# Altium PCB PCB2.PcbDoc (part 2 of 3)
Units mil, origin at the board's own origin, x right, y up, seen from the top; angles counter-clockwise.
Board outline 8413.39 x 5625.98 mil, 6 copper layers (Top Layer, GND1, Misc, Power, GND2, Bottom Layer), stack 58.89 mil thick; 205 components, 372 nets, 1456 pads, 1132 vias.
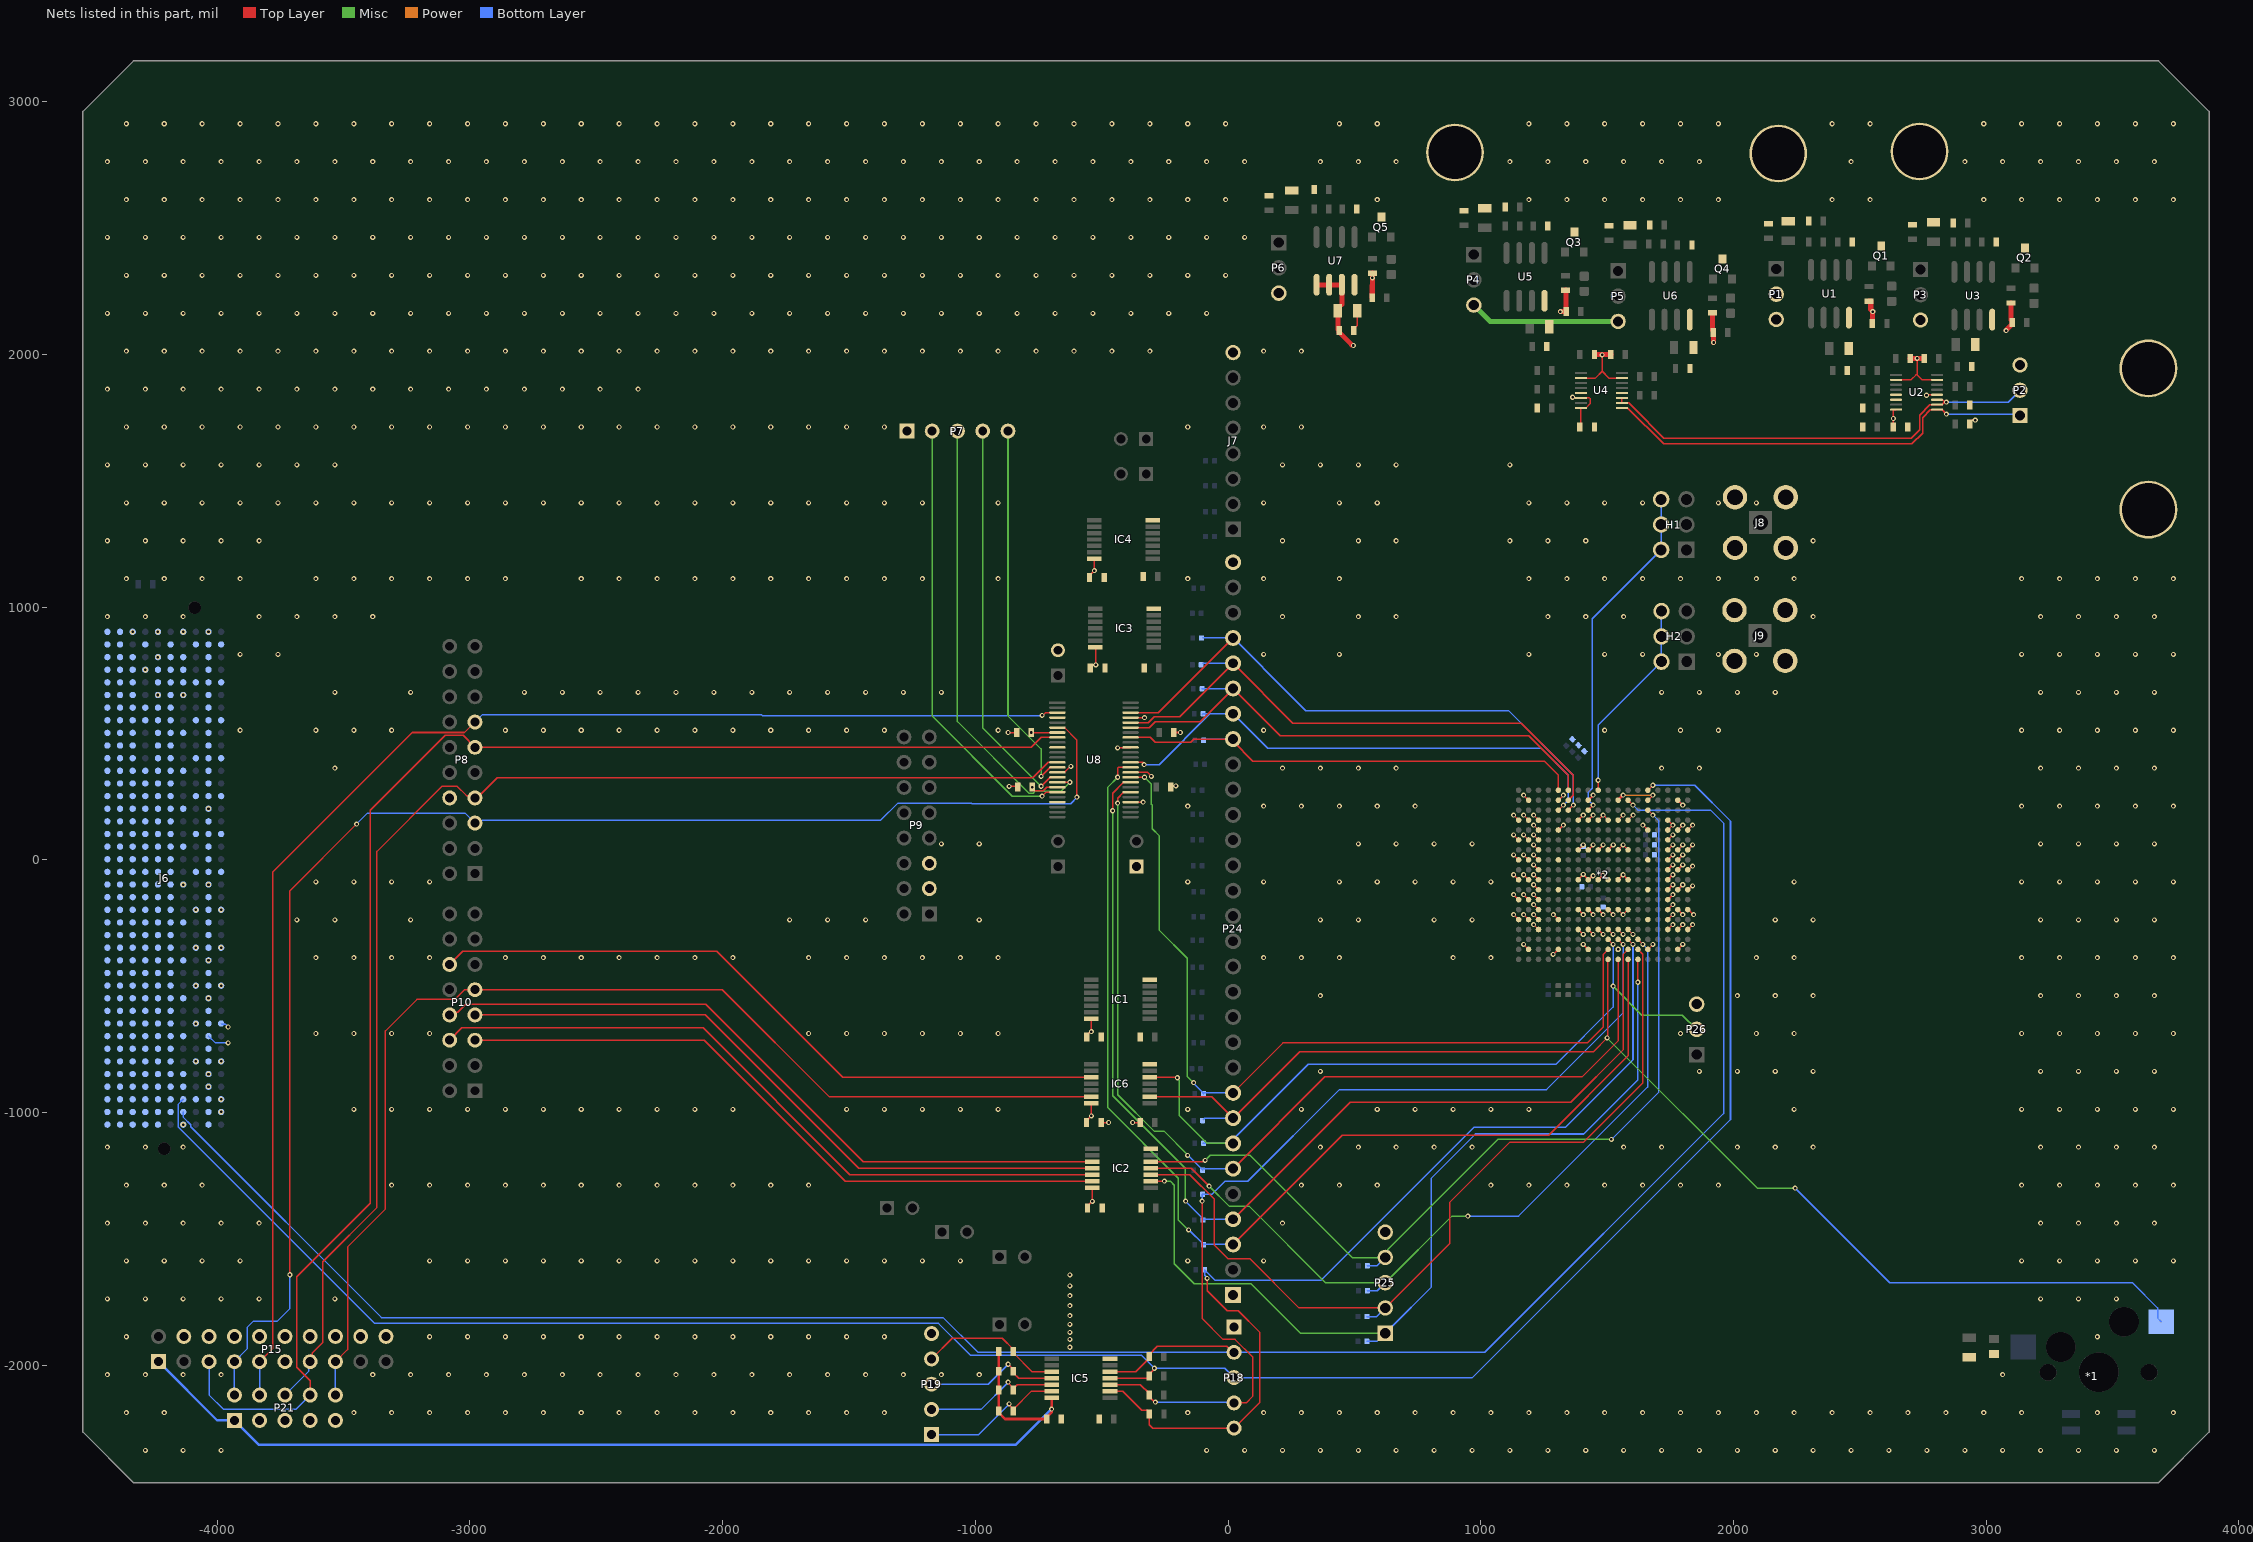
[diagram p6: the nets of this part, all layers, seen from the top]

## Via types
v1: diameter 20, hole 10, Top Layer to Bottom Layer, 828 vias
v2: diameter 20, hole 10, Top Layer to Bottom Layer, tented both sides, 304 vias

## Nets (pads, with @x,y where several pads share a name; then routed paths per layer and width w, separated by ;. In a path a pad name is that pad's centre, name@x,y a point inside that pad or via, vN(x,y) a via of type N, cw(c..) or ccw(c..) an arc to the next point about the centre after c; other vN are vias at no path point) (continued)
3V3: C2.2 C9.2 C41.2 C42.1 C43.2 C45.2 C47.2 C49.2 C52.2 C54.2 IC1.14 IC2.14 IC3.14 IC4.14 IC5.14 IC6.14 P1.2 P15.1 P21.1 R4.1 R8.1 R12.1 R19.1 R22.1 R24.1 R26.1 R28.1 R30.1 R32.1 R34.1 R39.2 R40.2 R41.2 R42.2 U2.8 U4.6 U4.8 U8.7 U8.18 | length 5789.9
  Top Layer w5: v2(-778.35,503.94) U8.7@-675.23,503.94 ; v2(-774.41,287.4) -774.41,281.17 -766.08,272.84 -731.61,272.84 -717.05,287.4 U8.18@-675.23,287.4 ; C54.2@-560.24,-1039.37 -560.24,-1032.48 v2(-540.87,-1013.11) IC6.14@-540.87,-962.6 ; C43.2@-559.06,-700.79 -559.06,-693.9 v2@-542.97,-677.81 ; C45.2@-556.3,-1377.95 -556.3,-1371.06 v2(-536.93,-1351.69) IC2.14@-536.93,-1297.24 ; C49.2@-548.43,1118.11 -548.43,1125 v2(-529.06,1144.37) IC4.14@-529.06,1190.94 ; C47.2@-544.49,759.84 -544.49,763.33 -536.16,771.65 v2(-523.62,771.65) -523.62,839.06 IC3.14@-525.12,840.55 ; v2(-540.87,-679.92) v2@-542.97,-677.81 ; IC1.14@-540.87,-627.95 -540.87,-675.71 v2@-542.97,-677.81
  Top Layer w6: R34.1@569.68,2224.41 R34.1@570.87,2225.59 ; v2(1363.58,1830.71) 1365.97,1828.33 1395.97,1828.33 U4.6@1396.42,1827.87 1430.05,1827.87 1433.56,1824.36 1433.56,1805.41 1416.66,1788.5 U4.8@1396.42,1788.5 1396.42,1716.5 C9.2@1392.52,1712.6 ; C2.2@2632.68,1712.6 v2(2632.68,1746.5) 2632.68,1780.4 2633.77,1781.5 U2.8@2643.31,1781.5 ; R4.1@2934.25,1724.41 2934.25,1731.3 2942.08,1739.13 2955.66,1739.13 v2(2956.69,1740.16)
  Top Layer w10: R42.2@-906.69,-1944.88 R41.2@-906.69,-2023.62 R40.2@-906.69,-2098.43 R39.2@-906.69,-2181.1 -906.69,-2187.99 -882.09,-2212.6 C52.2@-717.72,-2212.6 -717.72,-2205.71 -698.35,-2186.34 v2(-698.35,-2173.23) IC5.14@-698.35,-2127.95
  Top Layer w20: R34.1@570.51,2225.59 570.51,2272.13 570.87,2272.48 R32.1@570.87,2321.65 ; v2(1314.96,2169.29) R26.1@1337.4,2169.29 1337.4,2253.9 1336.57,2254.72 R24.1@1334.65,2254.72 ; R28.1@1917.32,2164.17 1917.32,2096.26 1920.08,2093.5 R30.1@1920.08,2086.61 1920.08,2048.43 v2(1921.26,2047.24) ; R8.1@2535.43,2211.42 2542.32,2211.42 2543.15,2210.59 2543.15,2177.32 v2(2551.18,2169.29) 2550,2168.11 R12.1@2550,2122.05 ; v2(3078.74,2094.49) 3078.74,2095.47 3102.36,2119.09 R22.1@3102.36,2125.98 3102.36,2132.87 3098.43,2136.81 R19.1@3098.43,2203.54
  Bottom Layer w10: P15.1@-4232.28,-1985.83 -4000,-2218.11 P21.1@-3932.28,-2218.11 -3835.06,-2315.33 -840.45,-2315.33 v2(-698.35,-2173.23)
  other v2: -625.98,-1928.82 -625.98,-1897.64 -625.98,-1870.08 -625.98,-1838.58 -625.98,-1803.15 -625.98,-1763.78 -625.98,-1724.41 -625.98,-1685.61 -625.98,-1642.42 570.87,2303.15
a2: J6.A2
a3: J6.A3
a6: J6.A6
a7: J6.A7
a10: J6.A10
a11: J6.A11
a14: J6.A14
a15: J6.A15
a18: J6.A18
a19: J6.A19
a22: J6.A22
a23: J6.A23
a26: J6.A26
a27: J6.A27
a30: J6.A30
a31: J6.A31
a34: J6.A34
a35: J6.A35
a38: J6.A38
a39: J6.A39
b1: J6.B1
b4: J6.B4
b5: J6.B5
b8: J6.B8
b9: J6.B9
b12: J6.B12
b13: J6.B13
b16: J6.B16
b17: J6.B17
b20: J6.B20
b21: J6.B21
b24: J6.B24
b25: J6.B25
b28: J6.B28
b29: J6.B29
b32: J6.B32
b33: J6.B33
b36: J6.B36
b37: J6.B37
b40: J6.B40
BOOT_SEL: *2.280 IC6.5 P24.7 P26.2 R52.1 | length 3054.7
  Top Layer w6: IC6.5@-309.53,-860.24 -308.54,-861.22 -201.77,-861.22 v2(-200.79,-862.2) ; *2.280@1503.94,-314.96 v2(1523.62,-334.65)
  Misc w5: v2(1523.62,-500) 1637.8,-614.17 1797.64,-614.17 P26.2@1854.33,-670.87
  Misc w6: v2(-200.79,-862.2) -200.79,-865.45 -192.91,-873.33 -192.91,-1011.81 -82.68,-1122.05 P24.7@19.68,-1122.05
  Bottom Layer w6: R52.1@-100.39,-1122.05 P24.7@19.68,-1122.05 19.68,-1106.63 34.45,-1091.86 34.45,-1091.54 316.93,-809.06 440.75,-809.06 1297.24,-809.06 1523.62,-582.68 v2(1523.62,-500) v2(1523.62,-334.65)
BOOT_SEL_3V3: IC6.10 P10.12 | length 2767.1
  Top Layer w5: P10.12@-3080.32,-413.72 -3028.8,-362.2 -2023.62,-362.2 -1525.59,-860.24 IC6.10@-540.87,-860.24
c2: J6.C2
c3: J6.C3
c6: J6.C6
c7: J6.C7
c10: J6.C10
c11: J6.C11
c14: J6.C14
c15: J6.C15
c18: J6.C18
c19: J6.C19
c22: J6.C22
c23: J6.C23
c26: J6.C26
c27: J6.C27
c30: J6.C30
c31: J6.C31
c34: J6.C34
c35: J6.C35
c37: J6.C37
CLOCK: *2.44 H1.2 H1.4 H1.6 | length 1365.2
  Top Layer w6: *2.44@1425.2,196.85 v2(1444.88,216.54)
  Bottom Layer w6: v2(1444.88,216.54) 1425.88,235.54 1425.88,268.4 1440.94,283.46 1440.94,953.94 H1.2@1713.78,1226.77 H1.4@1713.78,1326.77 H1.6@1713.78,1426.77
CPU_RESET: *1.1 *2.316 IC6.2 P24.8 R76.1 | length 5090.6
  Top Layer w5: IC6.2@-309.53,-937.01 -65.35,-937.01 P24.8@19.68,-1022.05 282.68,-759.06 515.75,-759.06
  Top Layer w6: 515.75,-759.06 1445.67,-759.06 1501.97,-702.76 1501.97,-395.67 *2.316@1503.94,-393.7
  Misc w6: v2(1500,-704.72) 2094.49,-1299.21 v2(2244.09,-1299.21)
  Bottom Layer w5: R76.1@-98.43,-1027.56 -92.91,-1022.05 P24.8@19.68,-1022.05
  Bottom Layer w6: v2(2244.09,-1299.21) 2618.11,-1673.23 3578.74,-1673.23 3678.37,-1772.86 3678.37,-1813.41 *1.1@3692.52,-1827.56
CPU_RESET_3V3: IC6.13 P10.9 P15.15 P21.10 | length 4559.6
  Top Layer w6: P15.15@-3532.28,-1985.83 -3484.25,-1937.8 -3484.25,-1531.5 -3334.65,-1381.89 -3334.65,-677.17 -3209.73,-552.25 -3060.13,-552.25 -3021.6,-513.72 P10.9@-2980.32,-513.72 -2002.02,-513.72 -1578.74,-937.01 IC6.13@-540.87,-937.01
  Bottom Layer w6: P21.10@-3532.28,-2118.11 P15.15@-3532.28,-1985.83
d1: J6.D1
d4: J6.D4
d5: J6.D5
d8: J6.D8
d9: J6.D9
d11: J6.D11
d12: J6.D12
d14: J6.D14
d15: J6.D15
d17: J6.D17
d18: J6.D18
d20: J6.D20
d21: J6.D21
d23: J6.D23
d24: J6.D24
d26: J6.D26
d27: J6.D27
d29: J6.D29
d33: J6.D33
d34: J6.D34
DEBUG_CLK: *2.9 H2.2 H2.4 H2.6 | length 812.4
  Top Layer w6: *2.9@1464.57,275.59 v2(1464.57,314.96)
  Bottom Layer w6: v2(1464.57,314.96) 1464.57,533.86 H2.2@1714.96,784.25 H2.4@1714.96,884.25 H2.6@1714.96,984.25
e2: J6.E2
e3: J6.E3
e6: J6.E6
e7: J6.E7
e9: J6.E9
e10: J6.E10
e12: J6.E12
e13: J6.E13
e15: J6.E15
e16: J6.E16
e18: J6.E18
e19: J6.E19
e21: J6.E21
e22: J6.E22
e24: J6.E24
e25: J6.E25
e27: J6.E27
e28: J6.E28
e30: J6.E30
e31: J6.E31
e33: J6.E33
e34: J6.E34
e36: J6.E36
e37: J6.E37
Ext_1V8: J3.1 P3.3 P6.3
Ext_3V3: J2.1 P1.3
Ext_V8: J4.1 P4.3 P5.3 | length 603.3
  Misc w20: P4.3@972.44,2195.28 1037.01,2130.71 P5.3@1543.31,2130.71
  Bottom Layer w30: P4.3@972.44,2195.28 P4.3@976.46,2199.29
Ext_VDD: C34.2 C35.2 J1.1 R6.2 R9.2 R18.2 R20.2 U2.2 U2.15 U4.2 U4.15 U7.1 U7.2 U7.3 | length 987.2
  Top Layer w6: C35.2@434.65,2099.61 C35.2@439.76,2094.49 C35.2@439.76,2087.6 ; C34.2@434.65,2173.23 434.65,2183.07 C34.2@450.2,2198.62 ; v2@489.25,2038.11 493.38,2038.11 v2(496.06,2035.43) ; U4.2@1396.42,1906.61 1453.86,1906.61 1480.31,1933.07 ; v2(1480.31,1998.03) 1480.31,1933.07 ; U4.15@1558.62,1906.61 1506.77,1906.61 1480.31,1933.07 ; U2.2@2643.31,1899.61 2702.76,1899.61 2721.92,1918.77 2726.89,1918.77 ; v2(2726.97,1984.25) 2726.89,1984.18 2726.89,1918.77 ; U2.15@2805.51,1899.61 2746.06,1899.61 2726.89,1918.77
  Top Layer w20: U7.1@350.2,2275.59 U7.2@400.2,2275.59 U7.3@450.2,2275.59 C34.2@450.2,2198.62 ; C35.2@434.65,2099.61 C34.2@434.65,2173.23 ; C35.2@439.76,2087.6 v2@489.25,2038.11 ; R18.2@1450,2000 R20.2@1514.57,2000 ; R6.2@2699.21,1984.25 v2(2726.97,1984.25) R9.2@2754.72,1984.25
f4: J6.F4
f5: J6.F5
f7: J6.F7
f8: J6.F8
f10: J6.F10
f11: J6.F11
f13: J6.F13
f14: J6.F14
f16: J6.F16
f17: J6.F17
f19: J6.F19
f20: J6.F20
f22: J6.F22
f23: J6.F23
f25: J6.F25
f26: J6.F26
f28: J6.F28
f29: J6.F29
f31: J6.F31
f32: J6.F32
f34: J6.F34
f35: J6.F35
f37: J6.F37
f38: J6.F38
g36: J6.G36
g37: J6.G37
GND: *2.20 *2.23 *2.26 *2.29 *2.32 *2.35 *2.55 *2.56 *2.57 *2.61 *2.62 *2.63 *2.64 *2.65 *2.66 *2.70 *2.75 *2.77 *2.86 *2.88 *2.89 *2.90 *2.91 *2.92 *2.93 *2.106 *2.111 *2.115 *2.116 *2.117 *2.118 *2.119 *2.120 *2.124 *2.125 *2.126 *2.127 *2.128 *2.129 *2.131 *2.140 *2.142 *2.143 *2.147 *2.160 *2.161 *2.162 *2.163 *2.164 *2.165 *2.169 *2.170 *2.171 *2.172 *2.173 *2.174 *2.178 *2.183 *2.185 *2.194 *2.196 *2.197 *2.198 *2.199 *2.200 *2.201 *2.214 *2.219 *2.223 *2.224 *2.225 *2.226 *2.227 *2.228 *2.232 *2.233 *2.234 *2.235 *2.236 *2.237 *2.239 *2.248 *2.250 *2.255 *2.259 *2.260 *2.261 *2.262 *2.263 *2.264 *2.268 *2.269 *2.270 *2.290 *2.293 *2.296 *2.299 *2.302 *2.305 C1.2 C2.1 C3.1 C4.1 C5.1 C6.1 C7.1 C8.2 C9.1 C10.2 C11.2 C12.2 C13.1 C14.1 C15.1 C16.1 C17.1 C18.1 C19.1 C20.1 C21.1 C22.2 C23.2 C24.2 C25.1 C26.1 C27.1 C28.2 C29.2 C30.2 C31.1 C32.1 C33.1 C34.1 C35.1 C36.1 C37.1 C38.1 C39.1 C40.2 C41.1 C42.2 C43.1 C44.2 C45.1 C46.2 C47.1 C48.2 C49.1 C50.2 C51.1 C52.1 C53.2 C54.1 C55.1 IC1.7 IC2.7 IC3.7 IC4.7 IC5.7 IC6.7 J5.1 J6.A1 J6.A4 J6.A5 J6.A8 J6.A9 J6.A12 J6.A13 J6.A16 J6.A17 J6.A20 J6.A21 J6.A24 J6.A25 J6.A28 J6.A29 J6.A32 J6.A33 J6.A36 J6.A37 J6.A40 J6.B2 J6.B3 J6.B6 J6.B7 J6.B10 J6.B11 J6.B14 J6.B15 J6.B18 J6.B19 J6.B22 J6.B23 J6.B26 J6.B27 J6.B30 J6.B31 J6.B34 J6.B35 J6.B38 J6.B39 J6.C1 J6.C4 J6.C5 J6.C8 J6.C9 J6.C12 J6.C13 J6.C16 J6.C17 J6.C20 J6.C21 J6.C24 J6.C25 J6.C28 J6.C29 J6.C32 J6.C33 J6.C36 J6.C38 J6.C40 J6.D2 J6.D3 J6.D6 J6.D7 J6.D10 J6.D13 J6.D16 J6.D19 J6.D22 J6.D25 J6.D28 J6.D37 J6.D39 J6.E1 J6.E4 J6.E5 J6.E8 J6.E11 J6.E14 J6.E17 J6.E20 J6.E23 J6.E26 J6.E29 J6.E32 J6.E35 J6.E38 J6.E40 J6.F2 J6.F3 J6.F6 J6.F9 J6.F12 J6.F15 J6.F18 J6.F21 J6.F24 J6.F27 J6.F30 J6.F33 J6.F36 J6.F39 J6.G1 J6.G4 J6.G5 J6.G8 J6.G11 J6.G14 J6.G17 J6.G20 J6.G23 J6.G26 J6.G29 J6.G32 J6.G35 J6.G38 J6.G40 J6.H3 J6.H6 J6.H9 J6.H12 J6.H15 J6.H18 J6.H21 J6.H24 J6.H27 J6.H30 J6.H33 J6.H36 J6.H39 J6.J1 J6.J4 J6.J5 J6.J8 J6.J11 J6.J14 J6.J17 J6.J20 J6.J23 J6.J26 J6.J29 J6.J32 J6.J35 J6.J38 J6.J40 J6.K2 J6.K3 J6.K6 J6.K9 J6.K12 J6.K15 J6.K18 J6.K21 J6.K24 J6.K27 J6.K30 J6.K33 J6.K36 J6.K39 J7.8 J8.2 J8.3 J8.4 J8.5 J9.2 J9.3 J9.4 J9.5 P2.3 P7.1 P8.8 P9.3 P9.5 P11.2 P13.1 P15.4 P15.6 P15.8 P15.10 P15.11 P15.12 P15.14 P15.16 P15.18 P15.20 P18.1 P19.5 P21.3 P21.5 P21.7 P21.9 P24.1 P24.30 P25.5 P26.3 Q1.3 Q2.3 Q3.3 Q4.3 Q5.3 R7.2 R10.2 R11.1 R21.1 R25.1 R29.1 R33.1 R81.1 U1.4 U2.5 U2.6 U2.12 U3.4 U4.5 U4.12 U5.4 U6.4 U7.4 U8.4 U8.10 U8.15 U8.21 U8.28 U8.34 U8.39 U8.45 | length 3475.2
  Top Layer w5: v2(-870.08,503.94) C42.2@-835.83,503.94 ; v2(-866.14,290.85) -839.9,290.85 -834.17,285.12 C41.1@-831.89,287.4 ; C54.1@-502.76,-1039.37 v2(-472.44,-1039.37) ; v2(-437.01,443.16) -436.15,444.02 -386.69,444.02 U8.39@-385.83,444.88 ; U8.28@-385.83,228.35 v2(-335.88,228.35) ; U8.45@-385.83,562.99 v2(-330.71,562.99) ; v2(-377.95,-1039.37) C53.2@-347.64,-1039.37 ; *2.77@1307.09,118.11 v2(1326.77,137.8)
  Top Layer w6: U8.15@-675.23,346.46 -647.61,346.46 -623.99,370.08 v2(-622.05,370.08) ; U8.34@-385.83,346.46 -318.9,346.46 v2(-303.15,330.71) ; C39.1@-227.17,287.4 -221.6,292.96 v2(-206.35,292.96) ; C40.2@-214.17,503.94 v2(-188.98,503.94) ; C35.1@497.24,2094.49 497.24,2101.38 511.81,2115.94 C34.1@511.81,2173.23 ; v2(1129.92,-216.54) *2.235@1149.61,-236.22 ; v2(1129.92,-137.8) *2.199@1149.61,-157.48 ; v2(1129.92,-59.06) *2.163@1149.61,-78.74 ; v2(1129.92,19.69) *2.127@1149.61,0 ; v2(1129.92,98.43) *2.91@1149.61,78.74 ; v2(1129.92,177.17) *2.55@1149.61,157.48 ; v2(1169.29,-334.65) *2.290@1188.98,-354.33 ; v2(1169.29,-216.54) *2.236@1188.98,-236.22 ; v2(1169.29,-137.8) *2.200@1188.98,-157.48 ; v2(1169.29,-59.06) *2.164@1188.98,-78.74 ; v2(1169.29,19.69) *2.128@1188.98,0 ; v2(1169.29,98.43) *2.92@1188.98,78.74 ; v2(1169.29,177.17) *2.56@1188.98,157.48 ; v2(1169.29,255.91) *2.20@1188.98,236.22 ; v2(1208.66,-255.91) *2.255@1228.35,-275.59 ; v2(1208.66,-216.54) *2.237@1228.35,-236.22 ; v2(1208.66,-177.17) *2.219@1228.35,-196.85 ; v2(1208.66,-137.8) *2.201@1228.35,-157.48 ; v2(1208.66,-98.43) *2.183@1228.35,-118.11 ; v2(1208.66,-59.06) *2.165@1228.35,-78.74 ; v2(1208.66,-19.68) *2.147@1228.35,-39.37 ; v2(1208.66,19.69) *2.129@1228.35,0 ; v2(1208.66,59.06) *2.111@1228.35,39.37 ; v2(1208.66,98.43) *2.93@1228.35,78.74 ; v2(1208.66,137.8) *2.75@1228.35,118.11 ; v2(1208.66,177.17) *2.57@1228.35,157.48 ; v2(1286.23,-374.02) 1286.82,-374.02 1306.5,-354.33 *2.293@1307.09,-354.33 ; v2(1287.4,-216.54) *2.239@1307.09,-236.22 ; *2.23@1307.09,236.22 v2(1326.77,255.91) ; *2.259@1385.83,-275.59 v2(1405.51,-295.28) ; *2.223@1385.83,-196.85 v2(1405.51,-216.54) ; *2.169@1385.83,-78.74 1385.83,-78.15 v2@1405.51,-58.47 ; *2.115@1385.83,39.37 v2(1405.51,59.06) ; *2.61@1385.83,157.48 v2(1405.51,177.17) ; v2(1405.51,-334.65) *2.296@1425.2,-354.33 ; *2.260@1425.2,-275.59 v2(1444.88,-295.28) ; *2.224@1425.2,-196.85 v2(1444.88,-216.54) ; *2.116@1425.2,39.37 v2(1444.88,59.06) ; *2.62@1425.2,157.48 v2(1444.88,177.17) ; *2.26@1425.2,236.22 v2(1444.88,255.91) ; v2(1444.52,-62.98) 1442.74,-62.98 1426.98,-78.74 *2.170@1425.2,-78.74 1425.2,-78.15 v2@1405.51,-58.47 ; *2.261@1464.57,-275.59 v2(1484.25,-295.28) ; *2.225@1464.57,-196.85 v2(1484.25,-216.54) ; *2.171@1464.57,-78.74 1464.86,-78.74 1482.58,-61.02 v2(1482.87,-61.02) ; *2.117@1464.57,39.37 v2(1484.25,59.06) ; *2.63@1464.57,157.48 v2(1484.25,177.17) *2.64@1503.94,157.48 ; v2@1483.56,-61.02 1484.55,-61.02 1502.26,-78.74 *2.172@1503.94,-78.74 ; *2.262@1503.94,-275.59 v2(1523.62,-295.28) ; *2.226@1503.94,-196.85 v2(1523.62,-216.54) ; *2.118@1503.94,39.37 v2(1524.2,59.63) ; *2.263@1543.31,-275.59 v2(1562.99,-295.28) ; *2.227@1543.31,-196.85 v2(1562.99,-216.54) *2.228@1582.68,-196.85 ; *2.173@1543.31,-78.74 v2(1562.99,-59.06) *2.174@1582.68,-78.74 ; *2.119@1543.31,39.37 v2(1562.99,59.06) *2.120@1582.68,39.37 ; *2.65@1543.31,157.48 v2(1562.99,177.17) ; *2.264@1582.68,-275.59 v2(1602.36,-295.28) ; *2.66@1582.68,157.48 1582.99,157.48 1602.68,177.17 v2(1602.99,177.17) ; v2(1641.73,137.8) *2.86@1661.42,118.11 ; *2.302@1661.42,-354.33 v2(1681.1,-334.65) ; *2.32@1661.42,236.22 v2(1681.1,255.91) ; *2.268@1740.16,-275.59 v2(1759.84,-255.91) ; *2.250@1740.16,-236.22 v2(1759.84,-216.54) ; *2.232@1740.16,-196.85 v2(1759.84,-177.17) ; *2.214@1740.16,-157.48 v2(1759.84,-137.8) ; *2.196@1740.16,-118.11 v2(1759.84,-98.43) ; *2.178@1740.16,-78.74 v2(1759.84,-59.06) ; *2.160@1740.16,-39.37 v2(1759.84,-19.68) ; *2.142@1740.16,0 v2(1759.84,19.69) ; *2.124@1740.16,39.37 v2(1759.84,59.06) ; *2.106@1740.16,78.74 v2(1759.84,98.43) ; *2.88@1740.16,118.11 v2(1759.84,137.8) *2.70@1740.16,157.48 ; *2.305@1779.53,-354.33 v2(1799.21,-334.65) ; *2.269@1779.53,-275.59 v2(1799.21,-255.91) ; *2.233@1779.53,-196.85 v2(1799.21,-216.54) ; *2.197@1779.53,-118.11 v2(1799.21,-98.43) ; *2.161@1779.53,-39.37 v2(1799.21,-19.68) ; *2.143@1779.53,0 v2(1799.21,19.69) ; *2.125@1779.53,39.37 v2(1799.21,59.06) ; *2.89@1779.53,118.11 v2(1799.21,137.8) ; *2.35@1779.53,236.22 v2(1799.21,216.54) ; *2.270@1818.9,-275.59 v2(1838.58,-255.91) ; *2.234@1818.9,-196.85 1820.87,-196.85 1840.55,-216.54 v2(1842.52,-216.54) ; *2.198@1818.9,-118.11 1821.36,-118.11 1836.12,-103.35 v2(1838.58,-103.35) ; *2.162@1818.9,-39.37 1821.56,-39.37 1835.93,-25 v2(1838.58,-25) ; *2.126@1818.9,39.37 v2(1838.58,59.06) ; *2.90@1818.9,118.11 v2(1838.58,137.8) ; v2(2763.78,1838.58) 2765.75,1840.55 U2.12@2805.51,1840.55 ; v2@1405.51,-58.47 v2(1405.51,-57.88) v2@1405.51,-58.47
  Top Layer w10: *2.29@1543.31,236.22 v2(1562.99,255.91)
  Power w6: v2(1562.99,255.91) v2(1681.1,255.91)
  Bottom Layer w6: J6.J8@-4034.65,-697.64 -4034.13,-697.64 -4007.36,-724.41 v2(-3956.69,-724.41) ; J6.K9@-3984.65,-647.64 -3982.46,-649.82 -3968.29,-649.82 v2(-3956.69,-661.42)